# Altium PCB FMC_ADC_250M_16B_4ch_pcb.PcbDoc (part 1 of 8) (continued)
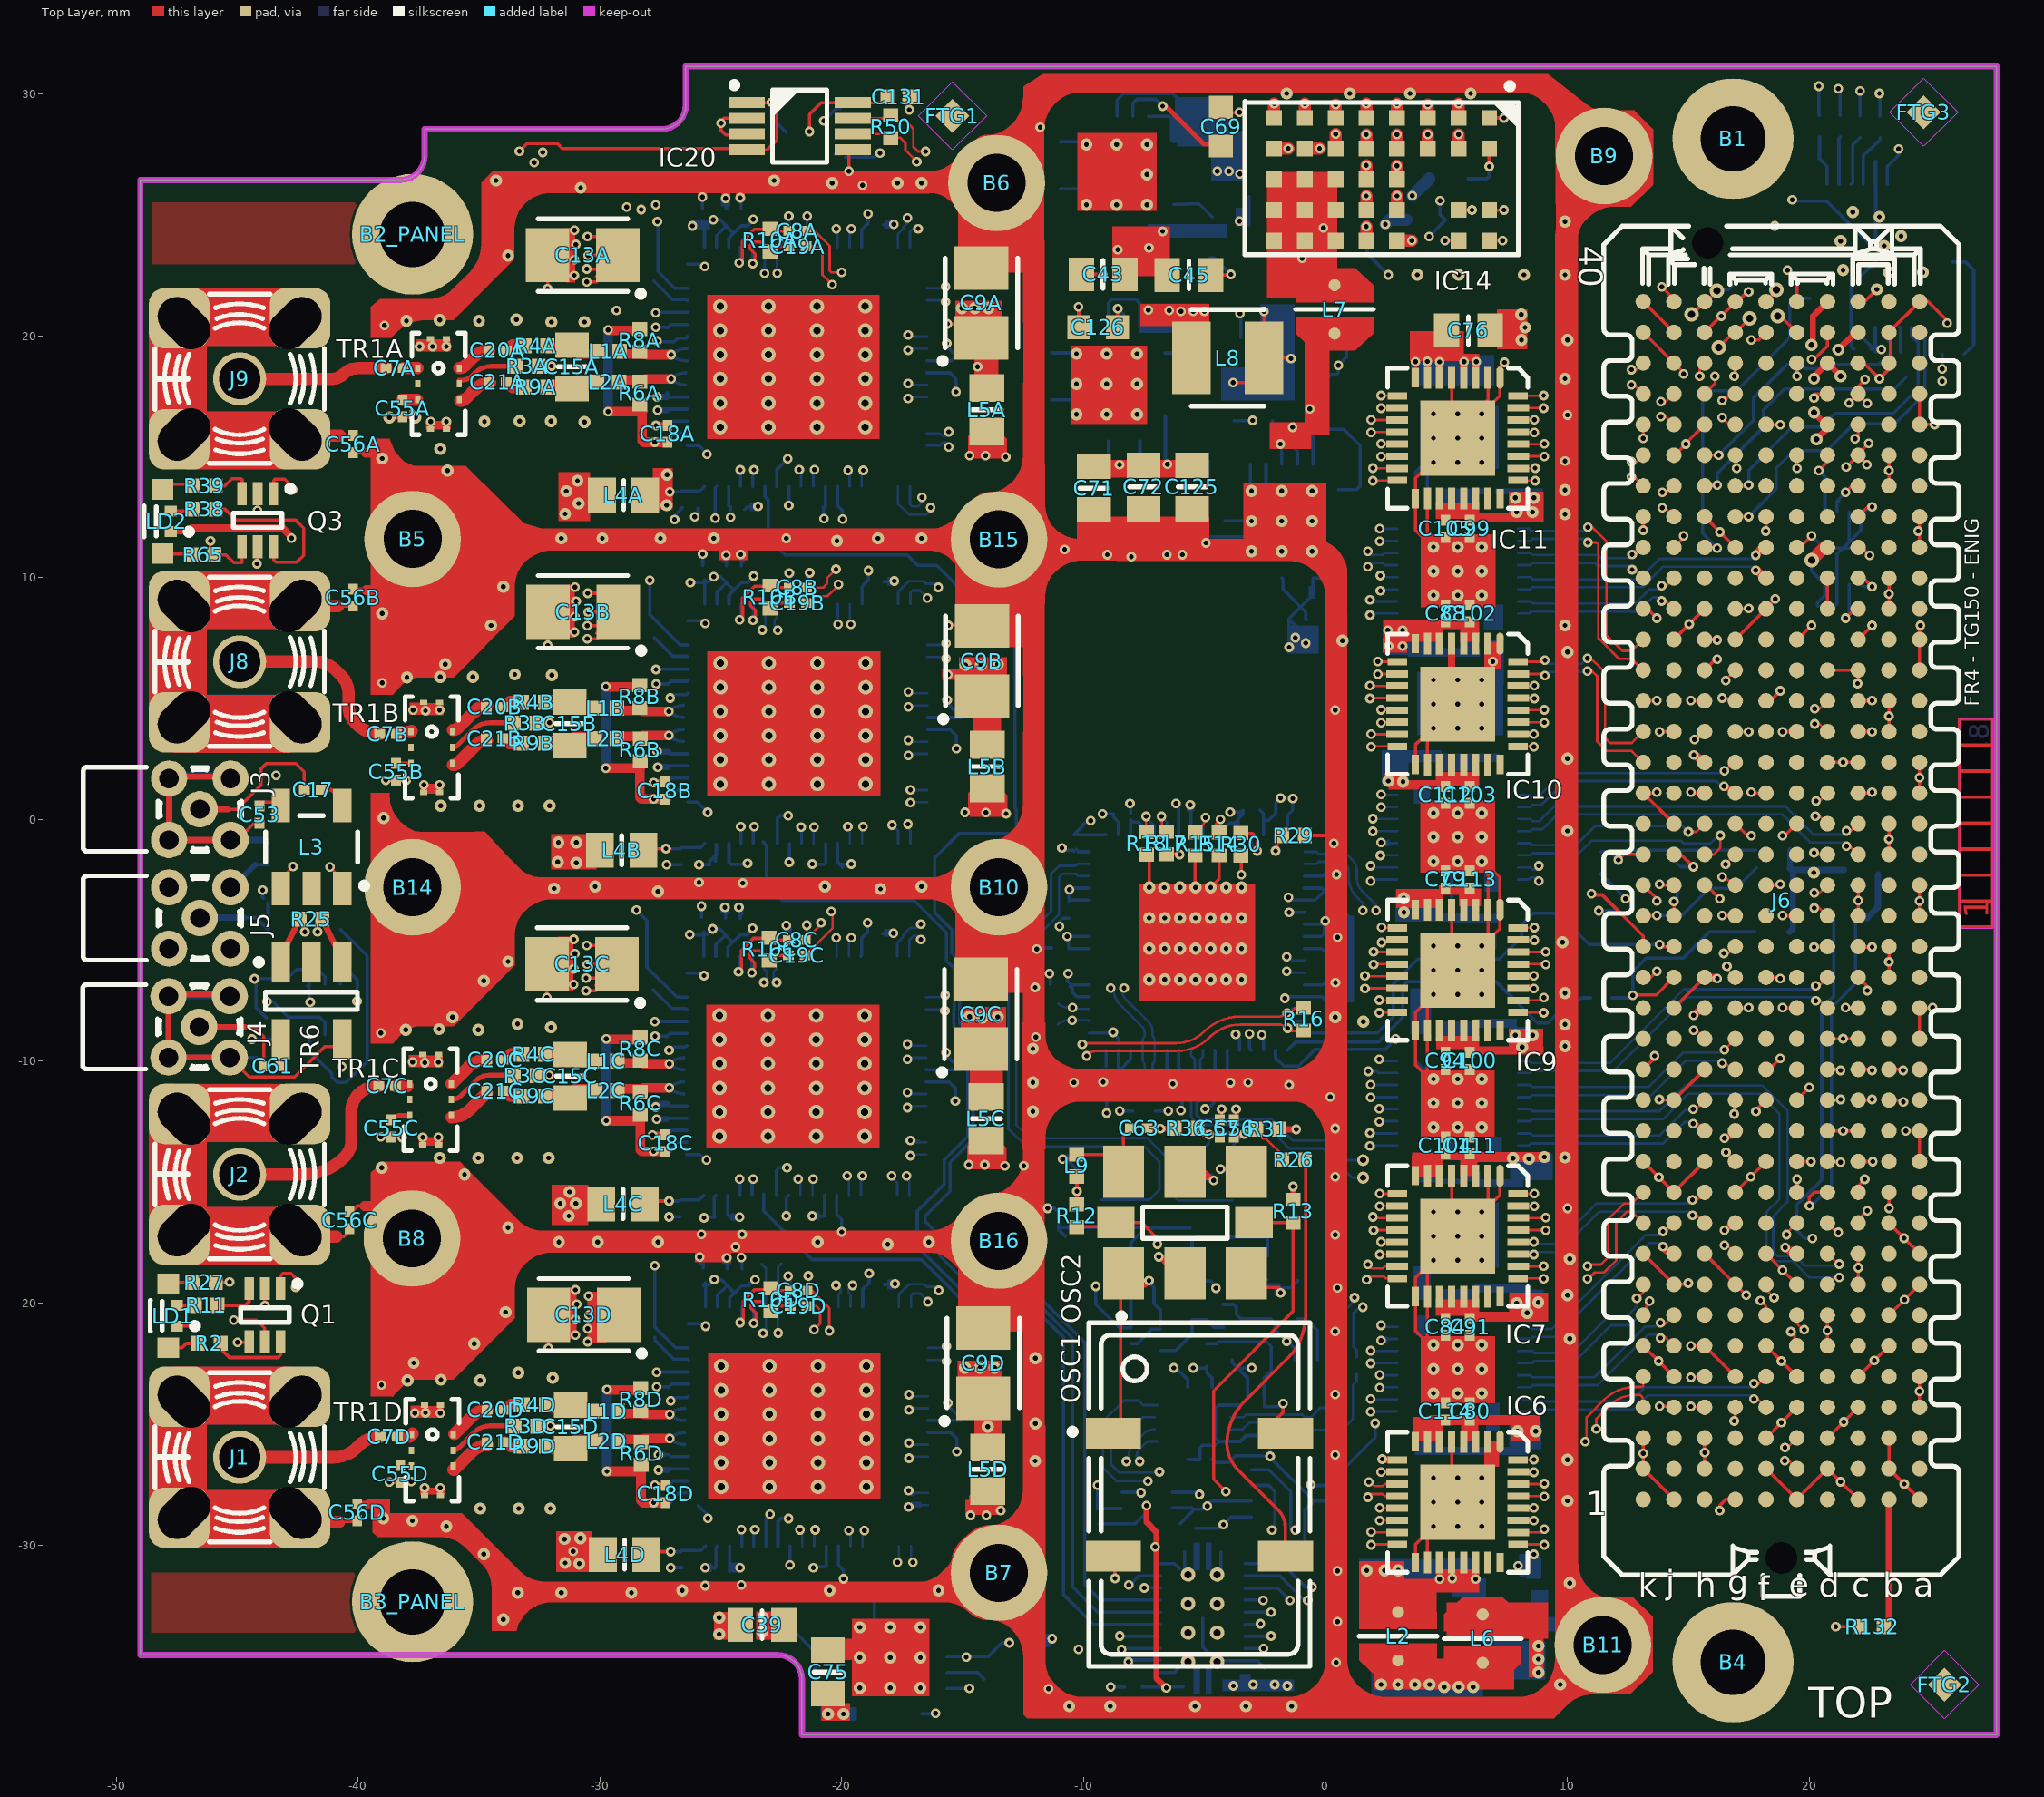
[diagram p0: Top Layer view]
## Classes and differential pairs (continued)
differential pair ADC_DATA3.D10: +ADC_DATA3.D10_P -ADC_DATA3.D10_N
differential pair ADC_DATA3.D12: +ADC_DATA3.D12_P -ADC_DATA3.D12_N
differential pair ADC_DATA3.D14: +ADC_DATA3.D14_P -ADC_DATA3.D14_N
differential pair FMC_CLK: +FMC_CLK_P -FMC_CLK_N
differential pair FPGA_CLK: +FPGA_CLK_P -FPGA_CLK_N
differential pair E_CLK: +E_CLK_P -E_CLK_N
differential pair REFINC: +REFINC_P -REFINC_N
differential pair VCXO_OUT: +VCXO_OUT_P -VCXO_OUT_N
differential pair VCOC: +VCOC_P -VCOC_N
differential pair LA33: +LA33_P -LA33_N

## Components (designator, comment, footprint, x,y, rotation, side; value= is the part's Value field where it differs from the comment)
B1 "Plated Hole" MTG270_500_M 16.856,28.15 r0 top
B2_PANEL "Plated Hole" MTG270_500_M -37.744,24.2 r0 top
B3_PANEL "Plated Hole" MTG270_500_M -37.744,-32.35 r0 top
B4 "Plated Hole" MTG270_500_M 16.856,-34.85 r0 top
B5 "Plated Hole" MTG240_400_M -37.741,11.6 r0 top
B6 "Plated Hole" MTG240_400_M -13.594,26.325 r0 top
B7 "Plated Hole" MTG240_400_M -13.494,-31.15 r0 top
B8 "Plated Hole" MTG240_400_M -37.769,-17.325 r0 top
B9 "Plated Hole" MTG240_400_M 11.524,27.438 r0 top
B10 "Plated Hole" MTG240_400_M -13.494,-2.8 r0 top
B11 "Plated Hole" MTG240_400_M 11.473,-34.132 r0 top
B14 "Plated Hole" MTG240_400_M -37.748,-2.8 r0 top
B15 "Plated Hole" MTG240_400_M -13.494,11.583 r0 top
B16 "Plated Hole" MTG240_400_M -13.494,-17.424 r0 top
C1A "100nF" CAPC0603X33N -27.186,20.707 r270 bottom (schematic designator C1)
C1B "100nF" CAPC0603X33N -27.172,5.953 r270 bottom (schematic designator C1)
C1C "100nF" CAPC0603X33N -27.214,-8.614 r270 bottom (schematic designator C1)
C1D "100nF" CAPC0603X33N -27.144,-23.114 r270 bottom (schematic designator C1)
C2A "100nF" CAPC0603X33N -25.764,24.898 r270 bottom (schematic designator C2)
C2B "100nF" CAPC0603X33N -25.749,10.144 r270 bottom (schematic designator C2)
C2C "100nF" CAPC0603X33N -25.792,-4.423 r270 bottom (schematic designator C2)
C2D "100nF" CAPC0603X33N -25.722,-18.923 r270 bottom (schematic designator C2)
C3A "100nF" CAPC0603X33N -24.087,24.898 r270 bottom (schematic designator C3)
C3B "100nF" CAPC0603X33N -24.073,10.144 r270 bottom (schematic designator C3)
C3C "100nF" CAPC0603X33N -24.116,-4.423 r270 bottom (schematic designator C3)
C3D "100nF" CAPC0603X33N -24.046,-18.923 r270 bottom (schematic designator C3)
C4A "100nF" CAPC0603X33N -24.798,24.898 r270 bottom (schematic designator C4)
C4B "100nF" CAPC0603X33N -24.784,10.144 r270 bottom (schematic designator C4)
C4C "100nF" CAPC0603X33N -24.827,-4.423 r270 bottom (schematic designator C4)
C4D "100nF" CAPC0603X33N -24.757,-18.923 r270 bottom (schematic designator C4)
C5A "100nF" CAPC0603X33N -27.211,17.303 r270 bottom (schematic designator C5)
C5B "100nF" CAPC0603X33N -27.203,2.489 r270 bottom (schematic designator C5)
C5C "100nF" CAPC0603X33N -27.24,-12.017 r270 bottom (schematic designator C5)
C5D "100nF" CAPC0603X33N -27.17,-26.517 r270 bottom (schematic designator C5)
C6A "100nF" CAPC0603X33N -25.586,12.935 r0 bottom (schematic designator C6)
C6B "100nF" CAPC0603X33N -25.338,-2.221 r90 bottom (schematic designator C6)
C6C "100nF" CAPC0603X33N -25.262,-16.8 r90 bottom (schematic designator C6)
C6D "100nF" CAPC0603X33N -25.236,-31.304 r90 bottom (schematic designator C6)
C7A "100nF" CAPC0603X33N -38.481,18.669 r180 top (schematic designator C7)
C7B "100nF" CAPC0603X33N -38.754,3.54 r180 top (schematic designator C7)
C7C "100nF" CAPC0603X33N -38.797,-11.027 r180 top (schematic designator C7)
C7D "100nF" CAPC0603X33N -38.727,-25.527 r180 top (schematic designator C7)
C8A "100nF" CAPC0603X33N -21.827,24.339 r180 top (schematic designator C8)
C8B "100nF" CAPC0603X33N -21.812,9.585 r180 top (schematic designator C8)
C8C "100nF" CAPC0603X33N -21.855,-4.982 r180 top (schematic designator C8)
C8D "100nF" CAPC0603X33N -21.785,-19.482 r180 top (schematic designator C8)
C9A "47uF" CAPMP3528X210N -14.224,21.361 r90 top (schematic designator C9)
C9B "47uF" CAPMP3528X210N -14.199,6.553 r90 top (schematic designator C9)
C9C "47uF" CAPMP3528X210N -14.249,-8.052 r90 top (schematic designator C9)
C9D "47uF" CAPMP3528X210N -14.148,-22.479 r90 top (schematic designator C9)
C10A "100nF" CAPC0603X33N -18.626,24.593 r180 bottom (schematic designator C10)
C10B "100nF" CAPC0603X33N -18.612,9.839 r180 bottom (schematic designator C10)
C10C "100nF" CAPC0603X33N -18.655,-4.728 r180 bottom (schematic designator C10)
C10D "100nF" CAPC0603X33N -18.585,-19.228 r180 bottom (schematic designator C10)
C11A "100nF" CAPC0603X33N -20.404,12.909 r180 bottom (schematic designator C11)
C11B "100nF" CAPC0603X33N -20.39,-1.845 r180 bottom (schematic designator C11)
C11C "100nF" CAPC0603X33N -20.433,-16.412 r180 bottom (schematic designator C11)
C11D "100nF" CAPC0603X33N -20.363,-30.912 r180 bottom (schematic designator C11)
C12A "100nF" CAPC0603X33N -21.779,24.521 r0 bottom (schematic designator C12)
C12B "100nF" CAPC0603X33N -21.765,9.767 r0 bottom (schematic designator C12)
C12C "100nF" CAPC0603X33N -21.807,-4.8 r0 bottom (schematic designator C12)
C12D "100nF" CAPC0603X33N -21.737,-19.3 r0 bottom (schematic designator C12)
C13A "47uF" CAPMP3528X210N -30.708,23.338 r180 top (schematic designator C13)
C13B "47uF" CAPMP3528X210N -30.694,8.584 r180 top (schematic designator C13)
C13C "47uF" CAPMP3528X210N -30.736,-5.982 r180 top (schematic designator C13)
C13D "47uF" CAPMP3528X210N -30.666,-20.482 r180 top (schematic designator C13)
C15A "12pF" CAPC2012X135N -31.153,18.72 r90 top (schematic designator C15)
C15B "12pF" CAPC2012X135N -31.245,3.962 r90 top (schematic designator C15)
C15C "12pF" CAPC2012X135N -31.234,-10.614 r90 top (schematic designator C15)
C15D "12pF" CAPC2012X135N -31.208,-25.117 r90 top (schematic designator C15)
C17 "100nF" CAPC0603X33N -41.873,1.234 r180 top
C18A "100nF" CAPC0603X33N -27.203,15.951 r90 top (schematic designator C18)
C18B "100nF" CAPC0603X33N -27.308,1.194 r90 top (schematic designator C18)
C18C "100nF" CAPC0603X33N -27.284,-13.389 r90 top (schematic designator C18)
C18D "100nF" CAPC0603X33N -27.283,-27.892 r90 top (schematic designator C18)
C19A "100nF" CAPC0603X33N -21.827,23.704 r180 top (schematic designator C19)
C19B "100nF" CAPC0603X33N -21.812,8.95 r180 top (schematic designator C19)
C19C "100nF" CAPC0603X33N -21.855,-5.617 r180 top (schematic designator C19)
C19D "100nF" CAPC0603X33N -21.785,-20.117 r180 top (schematic designator C19)
C20A "100nF" CAPC0603X33N -34.227,19.406 r0 top (schematic designator C20)
C20B "100nF" CAPC0603X33N -34.344,4.648 r0 top (schematic designator C20)
C20C "100nF" CAPC0603X33N -34.334,-9.939 r0 top (schematic designator C20)
C20D "100nF" CAPC0603X33N -34.308,-24.417 r0 top (schematic designator C20)
C21A "100nF" CAPC0603X33N -34.227,18.085 r0 top (schematic designator C21)
C21B "100nF" CAPC0603X33N -34.344,3.353 r0 top (schematic designator C21)
C21C "100nF" CAPC0603X33N -34.326,-11.221 r0 top (schematic designator C21)
C21D "100nF" CAPC0603X33N -34.308,-25.742 r0 top (schematic designator C21)
C22 "100nF" CAPC0603X33N 22.206,19.45 r0 bottom
C23 "100nF" CAPC0603X33N 23.106,27.225 r0 bottom
C24A "100nF" CAPC0603X33N -26.653,13.239 r90 bottom (schematic designator C24)
C24B "100nF" CAPC0603X33N -26.786,-1.51 r90 bottom (schematic designator C24)
C24C "100nF" CAPC0603X33N -26.681,-16.081 r90 bottom (schematic designator C24)
C24D "100nF" CAPC0603X33N -26.633,-30.643 r90 bottom (schematic designator C24)
C25 "100nF" CAPC0603X33N -7.939,-35.876 r180 bottom
C26 "100nF" CAPC0603X33N -4.266,-10.444 r180 bottom
C27 "100nF" CAPC0603X33N -8.838,-10.342 r0 bottom
C28 "100nF" CAPC0603X33N -10.972,-5.313 r0 bottom
C29 "100nF" CAPC0603X33N -3.048,0.381 r180 bottom
C30 "100nF" CAPC0603X33N -5.867,0.203 r0 bottom
C31 "100nF" CAPC0603X33N -0.025,-2.595 r270 bottom
C32 "100nF" CAPC0603X33N -10.394,-0.975 r270 bottom
C33 "100nF" CAPC0603X33N -2.506,-35.447 r270 bottom
C34 "100nF" CAPC0603X33N -10.6,-3.728 r90 bottom
C35 "100nF" CAPC0603X33N -1.702,0.381 r0 bottom
C36 "10uF" CAPC2012X135N -0.025,20.193 r0 bottom
C37 "100nF" CAPC0603X33N -10.998,-6.833 r0 bottom
C38 "4.7uF" CAPC1608X87N -3.048,-22.352 r180 bottom
C39 "10uF" CAPC2012X135N -23.294,-33.3 r180 top
C40 "10uF" CAPC2012X135N -23.319,-33.325 r180 bottom
C41 "1uF" CAPC1608X87N -12.943,-35.952 r0 bottom
C42 "10uF" CAPC2012X135N -3.073,26.594 r270 bottom
C43 "10uF" CAPC2012X135N -9.195,22.543 r180 top
C44 "10uF" CAPC2012X135N -4.775,24.118 r270 bottom
C45 "10uF" CAPC2012X135N -5.639,22.517 r0 top
C46 "1uF" CAPC1608X87N 4.158,24.796 r180 bottom
C47 "100nF" CAPC0603X33N -0.05,-5.084 r270 bottom
C48 "100nF" CAPC0603X33N -8.407,0.229 r0 bottom
C49 "100nF" CAPC0603X33N -0.025,-7.091 r270 bottom
C50 "100nF" CAPC0603X33N -6.273,-10.393 r0 bottom
C52 "100nF" CAPC0603X33N -2.87,-23.901 r180 bottom
C53 "100nF" CAPC0603X33N -44.075,0.2 r270 top
C55 "100nF" CAPC0603X33N 20.706,8.825 r180 bottom
C55A "100nF" CAPC0603X33N -38.15,17 r90 top (schematic designator C55)
C55B "100nF" CAPC0603X33N -38.425,1.975 r90 top (schematic designator C55)
C55C "100nF" CAPC0603X33N -38.625,-12.775 r90 top (schematic designator C55)
C55D "100nF" CAPC0603X33N -38.25,-27.062 r90 top (schematic designator C55)
C56 "100nF" CAPC0603X33N -3.785,-12.776 r270 top
C56A "100nF" CAPC0603X33N -40.2,15.525 r90 top (schematic designator C56)
C56B "100nF" CAPC0603X33N -40.2,9.175 r270 top (schematic designator C56)
C56C "100nF" CAPC0603X33N -40.35,-16.572 r270 top (schematic designator C56)
C56D "100nF" CAPC0603X33N -40.025,-28.65 r270 top (schematic designator C56)
C57 "100nF" CAPC0603X33N -4.369,-12.776 r270 top
C58 "100nF" CAPC0603X33N 1.295,-22.581 r270 bottom
C59 "4.7uF" CAPC1608X87N -10.973,-14.351 r0 bottom
C61 "100nF" CAPC0603X33N -43.544,-10.205 r180 top
C62 "100nF" CAPC0603X33N -2.515,-25.476 r0 bottom
C63 "100nF" CAPC0603X33N -7.71,-12.762 r0 top
C64 "27nF" CAPC1608X87N -2.565,-20.041 r270 bottom
C65 "27nF" CAPC1608X87N -5.512,-19.888 r270 bottom
C66 "10nF" CAPC0603X33N -8.044,-21.325 r270 bottom
C67 "470nF" CAPC1608X87N -1.143,-19.848 r270 bottom
C68 "2.2uF" CAPC2012X135N 0.83,23.501 r180 bottom
C69 "1uF" CAPC1608X87N -4.325,28.65 r90 top
C70 "10uF" CAPC2012X135N -4.394,19.927 r0 bottom
C71 "10uF" CAPC2012X135N -9.575,13.699 r270 top
C72 "10uF" CAPC2012X135N -7.518,13.75 r270 top
C73 "10uF" CAPC2012X135N -0.268,17.007 r90 bottom
C74 "10uF" CAPC2012X135N -13.019,-34.25 r0 bottom
C75 "10uF" CAPC2012X135N -20.569,-35.25 r90 top
C76 "10uF" CAPC2012X135N 5.91,20.224 r0 top
C77 "10uF" CAPC2012X135N 7.906,-33.075 r0 bottom
C78 "100nF" CAPC0603X33N 4.971,-4.479 r90 bottom
C79 "100nF" CAPC0603X33N 4.971,-2.479 r270 top
C80 "100nF" CAPC0603X33N 5.971,-24.479 r270 top
C81 "100nF" CAPC0603X33N 5.971,3.021 r270 bottom
C82 "10nF" CAPC0603X33N 6.971,17.521 r90 bottom
C83 "100nF" CAPC0603X33N 4.971,-7.979 r270 bottom
C84 "100nF" CAPC0603X33N 4.971,-20.979 r90 top
C85 "100nF" CAPC0603X33N 6.971,-7.979 r270 bottom
C86 "100nF" CAPC0603X33N 6.971,-26.729 r90 bottom
C87 "10nF" CAPC0603X33N 4.971,3.021 r270 bottom
C88 "100nF" CAPC0603X33N 4.971,8.521 r270 top
C89 "100nF" CAPC0603X33N 6.971,-18.979 r270 bottom
C90 "100nF" CAPC0603X33N 4.971,-30.229 r270 bottom
C91 "100nF" CAPC0603X33N 5.971,-20.979 r90 top
C92 "10nF" CAPC0603X33N 4.971,6.521 r90 bottom
C93 "100nF" CAPC0603X33N 5.971,-18.979 r270 bottom
C94 "100nF" CAPC0603X33N 4.971,-9.979 r90 top
C95 "100nF" CAPC0603X33N 5.971,-4.479 r90 bottom
C96 "100nF" CAPC0603X33N 4.971,-26.729 r90 bottom
C97 "10nF" CAPC0603X33N 6.971,14.021 r270 bottom
C98 "100nF" CAPC0603X33N 5.971,14.021 r270 bottom
C99 "100nF" CAPC0603X33N 5.971,12.021 r90 top
C100 "100nF" CAPC0603X33N 5.971,-9.979 r90 top
C101 "100nF" CAPC0603X33N 5.971,17.521 r90 bottom
C102 "10nF" CAPC0603X33N 5.971,8.521 r270 top
C103 "100nF" CAPC0603X33N 5.971,1.021 r90 top
C104 "100nF" CAPC0603X33N 4.971,-13.479 r270 top
C105 "100nF" CAPC0603X33N 4.971,12.021 r90 top
C106 "100nF" CAPC0603X33N 4.971,14.021 r270 bottom
C107 "100nF" CAPC0603X33N 6.971,-4.479 r90 bottom
C108 "100nF" CAPC0603X33N 5.971,-30.229 r270 bottom
C109 "100nF" CAPC0603X33N 4.005,6.508 r90 bottom
C110 "100nF" CAPC0603X33N 4.971,-18.979 r270 bottom
C111 "10nF" CAPC0603X33N 5.971,-13.479 r270 top
C112 "100nF" CAPC0603X33N 4.971,1.021 r90 top
C113 "10nF" CAPC0603X33N 5.971,-2.479 r270 top
C114 "100nF" CAPC0603X33N 4.971,-24.479 r270 top
C115 "100nF" CAPC0603X33N 5.971,-15.479 r90 bottom
C116 "100nF" CAPC0603X33N 4.971,-15.479 r90 bottom
C117 "10nF" CAPC0603X33N 4.971,17.521 r90 bottom
C118 "100nF" CAPC0603X33N 5.971,-26.729 r90 bottom
C119 "100nF" CAPC0603X33N 5.971,-7.979 r270 bottom
C120 "100nF" CAPC0603X33N 5.971,6.521 r90 bottom
C121 "100nF" CAPC0603X33N 6.971,-15.479 r90 bottom
C122 "10nF" CAPC0603X33N 6.971,3.021 r270 bottom
C123 "10uF" CAPC2012X135N 7.961,-31.329 r0 bottom
C124 "100nF" CAPC0603X33N 0.66,-22.606 r270 bottom
C125 "10uF" CAPC2012X135N -5.511,13.75 r270 top
C126 "1uF" CAPC1608X87N -9.398,20.358 r180 top
C127 "10uF" CAPC2012X135N -0.051,8.509 r180 bottom
C128 "1uF" CAPC1608X87N -2.98,16.491 r180 bottom
C129 "100nF" CAPC0603X33N -9.441,-28.845 r270 bottom
C130 "100nF" CAPC0603X33N -5.436,-28.88 r90 bottom
C131 "10nF" CAPC1005X55N -17.642,29.885 r0 top
C132 "100nF" CAPC0603X33N -19.115,27.04 r270 bottom
C133A "100nF" CAPC0603X33N -24.24,12.935 r180 bottom (schematic designator C133)
C133B "100nF" CAPC0603X33N -24.525,-2.195 r90 bottom (schematic designator C133)
C133C "100nF" CAPC0603X33N -24.627,-16.8 r90 bottom (schematic designator C133)
C133D "100nF" CAPC0603X33N -24.601,-31.304 r90 bottom (schematic designator C133)
D1 "BAR66" SOT95P240X110-3I -21.194,28.45 r180 bottom
D3 "PMEG4002EB" SODFL1608X65N 22.15,-2.275 r0 bottom
D4 "PMEG4002EB" SODFL1608X65N 18.517,-2.083 r180 bottom
D5 "PMEG4002EB" SODFL1608X65N 18.491,-4.648 r180 bottom
D6 "PMEG4002EB" SODFL1608X65N 18.517,-1.27 r180 bottom
FTG1 "Use only in PCB" FIDUCIAL_TOP_S100-200 -15.418,29.096 r90 top
FTG2 "Use only in PCB" FIDUCIAL_TOP_S100-200 25.606,-35.775 r90 top
FTG3 "Use only in PCB" FIDUCIAL_TOP_S100-200 24.74,29.248 r0 top
FTG4 "Use only in PCB" FIDUCIAL_TOP_S100-200 -43.519,23.89 r180 bottom
FTG5 "Use only in PCB" FIDUCIAL_TOP_S100-200 -44.154,-32.117 r180 bottom
FTG6 "Use only in PCB" FIDUCIAL_TOP_S100-200 25.502,28.918 r180 bottom
IC1A "ISLA216P25IRZ" INTERSIL_L72.10x10E -21.425,18.721 r0 bottom (schematic designator IC1)
IC1B "ISLA216P25IRZ" INTERSIL_L72.10x10E -21.411,3.967 r0 bottom (schematic designator IC1)
IC1C "ISLA216P25IRZ" INTERSIL_L72.10x10E -21.453,-10.6 r0 bottom (schematic designator IC1)
IC1D "ISLA216P25IRZ" INTERSIL_L72.10x10E -21.383,-25.1 r0 bottom (schematic designator IC1)
IC2 "AD9510BCPZ" QFN50P900X900X100-65N-S485 -5.308,-5.084 r180 bottom
IC4 "ICS854S01AKILF" QFN50P300x300x100-17N-S140 -5.436,-24.968 r0 bottom
IC5 "DS90LV804" LFCSP32 7.971,-24.479 r90 bottom
IC6 "DS90LV804" LFCSP32 7.971,-26.479 r270 top
IC7 "DS90LV804" LFCSP32 7.971,-15.479 r270 top
IC8 "DS90LV804" LFCSP32 7.971,-13.479 r90 bottom
IC9 "DS90LV804" LFCSP32 7.971,-4.479 r270 top
IC10 "DS90LV804" LFCSP32 7.971,6.521 r270 top
IC11 "DS90LV804" LFCSP32 7.971,17.521 r270 top
IC12 "DS90LV804" LFCSP32 7.971,-2.479 r90 bottom
IC13 "DS90LV804" LFCSP32 7.971,8.521 r90 bottom
IC14 "LTM8021IV#PBF" LGA35S127P5X8 2.329,25.203 r270 top locked
IC15 "AMC7823IRTAT" QFN50P600X600X80-41N-S425 22.988,23.313 r0 bottom locked
IC16 "TPS7A4700RGWT" QFN65P500X500X100-21N-S325 -8.966,17.996 r90 bottom
IC17 "TPS7A4700RGWT" QFN65P500X500X100-21N-S325 -1.803,12.34 r90 bottom
IC18 "Device" QFN50P350X550X100-24N -5.075,-33.025 r0 bottom
IC19 "SN74LVC1T45DCKT" SOT65P210X110-6N -7.35,-28.5 r0 bottom
IC20 "SN65LVDM176DGK" SOP65P490X110-8N -21.736,28.672 r0 top
IC22 "24AA64T-I/MC" SON50P300X200X100-9N-R175X155 21.406,11.225 r270 bottom
IC24 "TPS7A4700RGWT" QFN65P500X500X100-21N-S325 -17.994,-34.625 r0 bottom
IC25 "TPS7A4700RGWT" QFN65P500X500X100-21N-S325 -8.611,26.734 r90 bottom
IC26 "PCA9306DCTR" SOP65P400X130-8N -1.168,-27.864 r0 bottom
J1 "SMA" "AMPHENOL_901-143_IN BOARD" -44.894,-26.375 r0 top locked
J2 "SMA" "AMPHENOL_901-143_IN BOARD" -44.894,-14.675 r0 top locked
J3 "Coax_1Female_1Shield" "HUBER-SUHNER_85_MMCX-50-0-1/111 OH" -46.541,0.425 r180 top
J4 "Coax_1Female_1Shield" "HUBER-SUHNER_85_MMCX-50-0-1/111 OH" -46.566,-8.575 r180 top
J5 "Coax_1Female_1Shield" "HUBER-SUHNER_85_MMCX-50-0-1/111 OH" -46.544,-4.075 r180 top
J6 "" SAMTEC_ASP-134488-01 18.856,-3.35 r270 top
J7 "U.FL" HIROSE_U.FL-R-SMT-1(10) -9.271,-17.247 r0 bottom
J8 "SMA" "AMPHENOL_901-143_IN BOARD" -44.894,6.525 r0 top locked
J9 "SMA" "AMPHENOL_901-143_IN BOARD" -44.894,18.225 r0 top locked
J10 "U.FL" HIROSE_U.FL-R-SMT-1(10) -3.861,-17.272 r0 bottom
L1 "220R@100MHz" INDC1005X55N -4.902,-22.149 r90 bottom
L1A "5.6nH" INDC1005X55N -29.642,19.355 r0 top (schematic designator L1)
L1B "5.6nH" INDC1005X55N -29.746,4.597 r0 top (schematic designator L1)
L1C "5.6nH" INDC1005X55N -29.731,-9.989 r0 top (schematic designator L1)
L1D "5.6nH" INDC1005X55N -29.708,-24.467 r0 top (schematic designator L1)
L2 "2.2uH" IND_PANASONIC_ELLVGG 3.006,-33.775 r90 top
L2A "5.6nH" INDC1005X55N -29.655,18.085 r0 top (schematic designator L2)
L2B "5.6nH" INDC1005X55N -29.749,3.353 r0 top (schematic designator L2)
L2C "5.6nH" INDC1005X55N -29.734,-11.214 r0 top (schematic designator L2)
L2D "5.6nH" INDC1005X55N -29.708,-25.717 r0 top (schematic designator L2)
L3 "1:1" "XFMR_MA-COM_SM-22 (H260)" -41.918,-1.137 r180 top locked
L4A "220R@100MHz" INDC2012X105N -29.015,13.417 r0 top (schematic designator L4)
L4B "220R@100MHz" INDC2012X105N -29.094,-1.275 r0 top (schematic designator L4)
L4C "220R@100MHz" INDC2012X105N -29.043,-15.904 r0 top (schematic designator L4)
L4D "220R@100MHz" INDC2012X105N -28.973,-30.404 r0 top (schematic designator L4)
L5A "220R@100MHz" INDC2012X105N -13.999,16.943 r270 top (schematic designator L5)
L5B "220R@100MHz" INDC2012X105N -13.985,2.189 r270 top (schematic designator L5)
L5C "220R@100MHz" INDC2012X105N -14.027,-12.378 r270 top (schematic designator L5)
L5D "220R@100MHz" INDC2012X105N -13.957,-26.878 r270 top (schematic designator L5)
L6 "2.2uH" IND_PANASONIC_ELLVGG 6.506,-33.875 r90 top
L7 "2.2uH" IND_PANASONIC_ELLVGG 0.381,21.095 r270 top
L8 "15uH" IND_TDK_VLCF4020-1 -4.039,19.088 r180 top
L9 "220R@100MHz" INDC1005X55N -10.276,-14.311 r270 top
LD1 "" LED_AVAGO_HSMF-C113 -47.844,-20.525 r90 top locked
LD2 "" LED_AVAGO_HSMF-C113 -48.094,12.325 r90 top locked
OSC1 "125MHz" OSC_CRYSTEK_CVHD-950 -5.206,-27.919 r0 top
OSC2 "10-280MHz" OSC_SILICON-LAB_SI571 -5.805,-16.673 r90 top
Q1 "PMGD280UN" SOT65P210X110-6N -43.85,-20.5 r270 top
Q2 "PMGD280UN" SOT65P210X110-6N -41.35,-7.95 r90 bottom
Q3 "PMGD280UN" SOT65P210X110-6N -44.15,12.375 r270 top
R1A "10k" RESC1005X40N -15.329,18.721 r90 bottom (schematic designator R1)
R1B "10k" RESC1005X40N -15.315,3.967 r90 bottom (schematic designator R1)
R1C "10k" RESC1005X40N -15.357,-10.6 r90 bottom (schematic designator R1)
R1D "10k" RESC1005X40N -15.287,-25.1 r90 bottom (schematic designator R1)
R2 "200" RESC1005X40N -46.152,-21.666 r180 top
R3 "100" RESC1005X40N -22.843,-18.2 r180 bottom
R3A "0" RESC1005X40N -32.995,18.745 r0 top (schematic designator R3)
R3B "0" RESC1005X40N -33.099,3.988 r0 top (schematic designator R3)
R3C "0" RESC1005X40N -33.084,-10.589 r0 top (schematic designator R3)
R3D "0" RESC1005X40N -33.058,-25.092 r0 top (schematic designator R3)
R4A "15" RESC1005X40N -32.639,19.583 r0 top (schematic designator R4)
R4B "15" RESC1005X40N -32.743,4.851 r0 top (schematic designator R4)
R4C "15" RESC1005X40N -32.734,-9.714 r0 top (schematic designator R4)
R4D "15" RESC1005X40N -32.708,-24.217 r0 top (schematic designator R4)
R6A "27" RESC1005X40N -28.346,17.628 r270 top (schematic designator R6)
R6B "27" RESC1005X40N -28.324,2.87 r270 top (schematic designator R6)
R6C "27" RESC1005X40N -28.334,-11.739 r270 top (schematic designator R6)
R6D "27" RESC1005X40N -28.283,-26.217 r270 top (schematic designator R6)
R8A "27" RESC1005X40N -28.346,19.812 r270 top (schematic designator R8)
R8B "27" RESC1005X40N -28.349,5.08 r270 top (schematic designator R8)
R8C "27" RESC1005X40N -28.328,-9.494 r270 top (schematic designator R8)
R8D "27" RESC1005X40N -28.308,-23.992 r270 top (schematic designator R8)
R9A "15" RESC1005X40N -32.639,17.882 r0 top (schematic designator R9)
R9B "15" RESC1005X40N -32.743,3.15 r0 top (schematic designator R9)
R9C "15" RESC1005X40N -32.734,-11.439 r0 top (schematic designator R9)
R9D "15" RESC1005X40N -32.708,-25.917 r0 top (schematic designator R9)
R10A "100" RESC1005X40N -22.97,23.958 r270 top (schematic designator R10)
R10B "100" RESC1005X40N -22.955,9.204 r270 top (schematic designator R10)
R10C "100" RESC1005X40N -22.998,-5.363 r270 top (schematic designator R10)
R10D "100" RESC1005X40N -22.928,-19.863 r270 top (schematic designator R10)
R11 "200" RESC1005X40N -46.279,-20.091 r180 top
R12 "2k2" RESC1005X40N -10.276,-16.394 r90 top
R13 "2k2" RESC1005X40N -1.335,-16.191 r90 top
R14 "200" RESC1005X40N -4.394,-1.016 r270 top
R15 "200" RESC1005X40N -5.385,-1.016 r270 top
R16 "49R9" RESC1005X40N -0.914,-8.255 r270 top
R17 "200" RESC1005X40N -6.579,-0.965 r270 top
R18 "200" RESC1005X40N -7.391,-0.991 r270 top
R19 "200" RESC1005X40N -11.506,-7.62 r180 bottom
R20 "200" RESC1005X40N -11.529,-8.479 r180 bottom
R21 "200" RESC1005X40N -7.958,-11.602 r270 bottom
R23 "200" RESC1005X40N -7.044,-11.602 r270 bottom
R24 "0" RESC1005X40N -43.713,-1.422 r270 bottom
R25 "49R9" RESC1005X40N -41.95,-4.125 r180 top
R26 "200R" RESC1005X40N -1.31,-14.083 r180 top
R27 "200" RESC1005X40N -46.355,-19.152 r180 top
R28 "0" RESC1005X40N -43.713,-10.008 r0 bottom
R29 "5k1" RESC1005X40N -1.321,-0.66 r0 top
R30 "4k12" RESC1005X40N -3.5,-1.025 r270 top
R31 "200R" RESC1005X40N -2.388,-12.802 r0 top
R32 "200" RESC1005X40N 20.431,28.675 r90 bottom
R33 "200" RESC1005X40N 21.281,28.675 r90 bottom
R34 "200" RESC1005X40N 22.106,28.65 r90 bottom
R35 "200" RESC1005X40N 22.931,28.65 r90 bottom
R36 "200R" RESC1005X40N -5.766,-12.776 r180 top
R38 "200" RESC1005X40N -46.355,12.827 r180 top
R39 "200" RESC1005X40N -46.355,13.792 r180 top
R40 "1" RESC1005X40N -4.216,-20.523 r270 bottom
R42 "2k2" RESC1005X40N -0.787,-22.344 r180 bottom
R43 "27k" RESC1608X55N 5.097,26.498 r180 bottom
R44 "10k" RESC1005X40N 14.554,-2.261 r270 bottom
R45 "100" RESC1005X40N -8.153,-24.409 r90 bottom
R46 "200" RESC1005X40N 24.006,18.725 r90 bottom
R47 "200" RESC1005X40N 25.956,19.225 r0 bottom
R48 "49R9" RESC3225X70N -42.219,-4.55 r180 bottom
R49 "4k7" RESC1005X40N -43.794,-8.65 r90 bottom
R50 "100" RESC1005X40N -17.969,28.65 r270 top
R51 "100" RESC1005X40N 12.706,-3.975 r180 bottom
R52 "100" RESC1005X40N 11.406,-1.875 r270 bottom
R53 "100" RESC1005X40N 11.406,-7.375 r180 bottom
R55 "10k" RESC1005X40N -0.406,-30.404 r0 bottom
R64 "2k2" RESC1005X40N -6.807,-21.488 r270 bottom
R65 "1k" RESC1005X40N -46.406,10.947 r180 top
R72 "0" RESC1005X40N -3.81,-14.249 r90 bottom
R73 "0" RESC1005X40N -5.232,-14.249 r90 bottom
R74 "100" RESC1005X40N -0.229,-24.79 r90 bottom
R75 "100" RESC1005X40N 21.475,-4.075 r180 bottom
R132 "4k7" RESC1005X40N 22.606,-33.375 r0 top
TP1A "" TPR120 -27.973,21.875 r90 bottom (schematic designator TP1)
TP1B "" TPR120 -27.959,7.121 r90 bottom (schematic designator TP1)
TP1C "" TPR120 -28.002,-7.445 r90 bottom (schematic designator TP1)
TP1D "" TPR120 -27.932,-21.945 r90 bottom (schematic designator TP1)
TR1A "" XFMR_ANAREN_BD0205F5050A00 -36.673,18.015 r270 top (schematic designator TR1)
TR1B "" XFMR_ANAREN_BD0205F5050A00 -36.951,2.981 r270 top (schematic designator TR1)
TR1C "" XFMR_ANAREN_BD0205F5050A00 -36.993,-11.586 r270 top (schematic designator TR1)
TR1D "" XFMR_ANAREN_BD0205F5050A00 -36.923,-26.086 r270 top (schematic designator TR1)
TR6 "1:1" XFMR_MINI-CIRCUITS_AT224-1 -41.925,-7.5 r0 top

## Footprints (in the part's own frame and the unit in brackets; to place one, negate y for a bottom-side part, rotate by r counter-clockwise, add the part's x,y. Pads: shape width x height; smd on the part's side, far side on the other; paste and mask are expansions set on the pad)
"AMPHENOL_901-143_IN BOARD" [mm] "50 Ohm Through Hole SMA 90 degrees PCB Jack - partially embedded"
  round 2.2 hole 1.7: 1(0,0)
  rrect50% 2.5x2.5 hole 1.6 slot 2.4 at 45 deg copper offset -0.2,-0.2: 2(-2.3,-2.3)
  rrect50% 2.5x2.5 hole 1.6 slot 2.4 at 135 deg copper offset -0.2,0.2: 2(-2.3,2.3)
  rrect50% 2.5x2.5 hole 1.6 slot 2.4 at 135 deg copper offset 0.2,-0.2: 2(2.3,-2.3)
  rrect50% 2.5x2.5 hole 1.6 slot 2.4 at 45 deg copper offset 0.2,0.2: 2(2.3,2.3)
  silkscreen extent -3.5,-3.5 3.5,3.5, body extent -13.66,-10 6.35,10.01, height 8.99
CAPC0603X33N [mm] "Chip Capacitor, Body 0.6x0.30mm, IPC Medium Density"
  rect 0.45x0.4 smd: 1(-0.35,0) 2(0.35,0)
  body extent -0.31,-0.16 0.32,0.17, height 0.33
CAPC1005X55N [mm] "Chip Capacitor, Body 1.0x0.55mm, IPC Medium Density"
  rect 0.62x0.62 smd: 1(-0.45,0) 2(0.45,0)
  body extent -0.52,-0.27 0.53,0.28, height 0.55
CAPC1608X87N [mm] "Chip Capacitor, Body 1.6x0.8mm IPC Medium Density"
  rect 0.95x1 smd: 1(-0.8,0) 2(0.8,0)
  body extent -0.87,-0.47 0.88,0.48, height 0.87
CAPC2012X135N [mm] "Chip Capacitor, Body 2.0x1.25mm, IPC Medium Density"
  rect 1.05x1.4 smd: 1(-0.9,0) 2(0.9,0)
  silkscreen extent 0,-0.58 0,0.58, body extent -1.05,-0.67 1.05,0.68, height 1.25
CAPMP3528X210N [mm] "Capacitor, Polarized, Molded  Body 3.5x2.8mm, IPC Medium Density"
  rect 1.8x2.25 smd: 1(-1.45,0) 2(1.45,0)
  silkscreen extent -2.52,-1.5 1.85,1.72, body extent -1.85,-1.5 1.85,1.5, height 2.1
FIDUCIAL_TOP_S100-200 [mm] "Square Fiducial Target, Top Layer, 1.0mm, Top Solder 2.0mm, Keepout =2.0mm"
  rect 1x1 smd rot 45 paste-0.51 mask+0.5: 1(0,0)
  Top Layer keep-out region: 1.414,0 0,-1.414 -1.414,0 0,1.414
HIROSE_U.FL-R-SMT-1(10) [mm] "Up to 6GHz Ultra Small Surface Mount Male Coaxial Connectors U.FL Series"
  rect 1x1.05 smd: 1(0,-1.525)
  rect 1.05x2.2 smd: 2(-1.475,0) 2(1.475,0)
  silkscreen extent -1,-1.3 1,1.55, body extent -1.5,-1.55 1.5,1.55, height 1.25
"HUBER-SUHNER_85_MMCX-50-0-1/111 OH" [mm] "MMCX 50 Ohm Right Angle PCB Jack"
  round 1.5 hole 0.8: 1(0,0) 2(-1.27,1.27) 2(-1.27,-1.27) 2(1.27,1.27) 2(1.27,-1.27)
  silkscreen extent -1.73,-1.74 4.82,1.74, body extent -1.73,-1.74 4.82,1.74, height 3.8
IND_PANASONIC_ELLVGG [mm] "Wire Wound SMD Power Inductor, Body Width 3mm Body Lenght 3mm Height 1.5mm, PANASONIC G Series"
  round 0.5 smd paste-0.26 mask-0.26: 1(-1,0) 2(1,0)
  Top Layer region: -1,-1.6 -1.7,-0.85 -1.7,0.85 -1,1.6 -0.3,1.6 -0.3,-1.6
  Top Layer region: 0.3,-1.6 0.3,1.6 1,1.6 1.7,0.85 1.7,-0.85 1,-1.6
  silkscreen extent 0,-1.6 0,1.6, body extent -1.5,-1.5 1.5,1.5, height 1.5
IND_TDK_VLCF4020-1 [mm] "SMD Inductor, 4mm L X 4mm W X 2.0mm H, TDK VLCF4020-1 Case"
  rect 1.6x3 smd: 1(-1.5,0) 2(1.5,0)
  silkscreen extent -1.5,-2 1.5,2, body extent -2.02,-2 2.02,2, height 2
INDC1005X55N [mm] "Chip Inductor, 2-Leads, EIA 0402, Metric 1005, Body 1x0.5mm, 0402IPC Medium Density"
  rect 0.6x0.62 smd: 1(-0.46,0) 2(0.46,0)
  body extent -0.52,-0.27 0.53,0.28, height 0.55
INDC2012X105N [mm] "Chip Inductor, EIA 0805, Metric 2012, Body 2.0x1.25mm, IPC Medium Density"
  rect 1.15x1.45 smd: 1(-0.9,0) 2(0.9,0)
  silkscreen extent 0,-0.6 0,0.6, body extent -1.1,-0.7 1.1,0.7, height 1.1
INTERSIL_L72.10x10E [mm] "INTERSIL Case Style L72.10x10E, QFN, 0.50mm Pitch, Square; 72 Pin, 10.00mm L X 10.00mm W X 1.00mm H body (w/ Thermal Tab 7.15 X 6mm)"
  oval 0.9x0.25 smd: 1(-4.95,4.25) 2(-4.95,3.75) 3(-4.95,3.25) 4(-4.95,2.75) 5(-4.95,2.25) 6(-4.95,1.75) 7(-4.95,1.25) 8(-4.95,0.75) 9(-4.95,0.25) 10(-4.95,-0.25) 11(-4.95,-0.75) 12(-4.95,-1.25) 13(-4.95,-1.75) 14(-4.95,-2.25) 15(-4.95,-2.75) 16(-4.95,-3.25) 17(-4.95,-3.75) 18(-4.95,-4.25) 37(4.95,-4.25) 38(4.95,-3.75) 39(4.95,-3.25) 40(4.95,-2.75) 41(4.95,-2.25) 42(4.95,-1.75) 43(4.95,-1.25) 44(4.95,-0.75) 45(4.95,-0.25) 46(4.95,0.25) 47(4.95,0.75) 48(4.95,1.25) 49(4.95,1.75) 50(4.95,2.25) 51(4.95,2.75) 52(4.95,3.25) 53(4.95,3.75) 54(4.95,4.25)
  oval 0.25x0.9 smd: 19(-4.25,-4.95) 20(-3.75,-4.95) 21(-3.25,-4.95) 22(-2.75,-4.95) 23(-2.25,-4.95) 24(-1.75,-4.95) 25(-1.25,-4.95) 26(-0.75,-4.95) 27(-0.25,-4.95) 28(0.25,-4.95) 29(0.75,-4.95) 30(1.25,-4.95) 31(1.75,-4.95) 32(2.25,-4.95) 33(2.75,-4.95) 34(3.25,-4.95) 35(3.75,-4.95) 36(4.25,-4.95) 55(4.25,4.95) 56(3.75,4.95) 57(3.25,4.95) 58(2.75,4.95) 59(2.25,4.95) 60(1.75,4.95) 61(1.25,4.95) 62(0.75,4.95) 63(0.25,4.95) 64(-0.25,4.95) 65(-0.75,4.95) 66(-1.25,4.95) 67(-1.75,4.95) 68(-2.25,4.95) 69(-2.75,4.95) 70(-3.25,4.95) 71(-3.75,4.95) 72(-4.25,4.95)
  round 0.6 hole 0.3: 73(-3.6,-2.5) 73(-3.6,-1.5) 73(-3.6,-0.5) 73(-3.6,0.5) 73(-3.6,1.5) 73(-3.6,2.5) 73(-1.6,-2.5) 73(-1.6,-1.5) 73(-1.6,-0.5) 73(-1.6,0.5) 73(-1.6,1.5) 73(-1.6,2.5) 73(0.4,-2.5) 73(0.4,-1.5) 73(0.4,-0.5) 73(0.4,0.5) 73(0.4,1.5) 73(0.4,2.5) 73(2.4,-2.5) 73(2.4,-1.5) 73(2.4,-0.5) 73(2.4,0.5) 73(2.4,1.5) 73(2.4,2.5)
  rect 7.15x6 smd: 73(-0.575,0)
  round 0.5 smd paste-0.51 mask+0.3: FTG1(-5.707,-5.707) FTG2(5.707,5.707)
  silkscreen extent -6.12,-5 5,5, body extent -5,-5 5,5, height 0.9
LED_AVAGO_HSMF-C113 [mm] "Right Angle Tricolor Surface Mount ChipLED, Body 2.5x1mm"
  rect 0.85x0.9 smd: 1(-1.325,0) 4(1.325,0)
  rect 0.45x0.5 smd: 2(-0.425,-0.35) 3(0.425,-0.35)
  silkscreen extent -0.64,-1.23 0.64,0.75, body extent -1.25,-0.25 1.25,0.75, height 1
LFCSP32 [mm]
  rect 3.1x3.1 smd: 0(1.75,-2.5)
  oval 0.9x0.3 smd: 1(-0.75,-0.75)
  rect 0.9x0.3 smd: 2(-0.75,-1.25) 3(-0.75,-1.75) 4(-0.75,-2.25) 5(-0.75,-2.75) 6(-0.75,-3.25) 7(-0.75,-3.75) 18(4.25,-3.75) 19(4.25,-3.25) 20(4.25,-2.75) 21(4.25,-2.25) 22(4.25,-1.75) 23(4.25,-1.25)
  rect 0.8x0.3 smd: 8(-0.75,-4.25) 17(4.25,-4.25) 24(4.25,-0.75)
  rect 0.3x0.8 smd: 9(0,-5) 16(3.5,-5) 25(3.5,0) 32(0,0)
  rect 0.3x0.9 smd: 10(0.5,-5) 11(1,-5) 12(1.5,-5) 13(2,-5) 14(2.5,-5) 15(3,-5) 26(3,0) 27(2.5,0) 28(2,0) 29(1.5,0) 30(1,0) 31(0.5,0)
  silkscreen extent -1.15,-5.4 4.65,0.4, body extent -0.75,-5 4.25,0, height 1
LGA35S127P5X8 [mm] "LGA, 1.27mm pitch,rect.; 35 pin,5 columns X 8 rows, 6.25mm X 11.25mm X 2.82mm H"
  rect 0.65x0.65 smd: A1(-3.81,4.445) A2(-2.54,4.445) A4(0,4.445) A5(1.27,4.445) B1(-3.81,3.175) B2(-2.54,3.175) B4(0,3.175) B5(1.27,3.175) C1(-3.81,1.905) C2(-2.54,1.905) D1(-3.81,0.635) D2(-2.54,0.635) D3(-1.27,0.635) D4(0,0.635) D5(1.27,0.635) E1(-3.81,-0.635) E2(-2.54,-0.635) E3(-1.27,-0.635) E4(0,-0.635) E5(1.27,-0.635) F1(-3.81,-1.905) F2(-2.54,-1.905) F3(-1.27,-1.905) F4(0,-1.905) F5(1.27,-1.905) G1(-3.81,-3.175) G2(-2.54,-3.175) G3(-1.27,-3.175) G4(0,-3.175) G5(1.27,-3.175) H1(-3.81,-4.445) H2(-2.54,-4.445) H3(-1.27,-4.445) H4(0,-4.445) H5(1.27,-4.445)
  silkscreen extent -5.25,-5.65 1.85,5.65, body extent -4.45,-5.65 1.85,5.65, height 2.8
MTG240_400_M [mm] "Plated Through Hole: Hole Dia.=2.4mm Pad Dia.=4.0mm"
  round 4 / inner round 2.8 / far side round 4 hole 2.4: 1(0,0)
MTG270_500_M [mm] "Plated Through Hole: Hole Dia.=2.7mm Pad Dia.=5.0mm"
  round 5 / inner round 3 / far side round 5 hole 2.7: 1(0,0)
OSC_CRYSTEK_CVHD-950 [mm] "Oscillator, 5.08mm Pitch; 4 Pin, 14.2mm L X 9.14mm W X 5.3mm H, CVHD-950 Serie"
  rect 2.28x1.27 smd: 1(-3.555,2.54) 2(-3.555,-2.54) 3(3.555,-2.54) 4(3.555,2.54)
  silkscreen extent -5.37,-7.1 4.57,7.1, body extent -4.57,-7.1 4.57,7.1, height 5.3
OSC_SILICON-LAB_SI571 [mm] "Oscillator Si571 Series, 8 pins, 5x7mm"
  rect 2.15x1.7 smd: 1(-2.1,2.54) 2(-2.1,0) 3(-2.1,-2.54) 4(2.1,-2.54) 5(2.1,0) 6(2.1,2.54)
  rect 1.3x1.545 smd: 7(0,2.853) 8(0,-2.853)
  silkscreen extent -4,-1.75 0.65,2.75, body extent -2.5,-3.5 2.5,3.5, height 1.85